# KiCad board analog_i.kicad_pcb (continued)
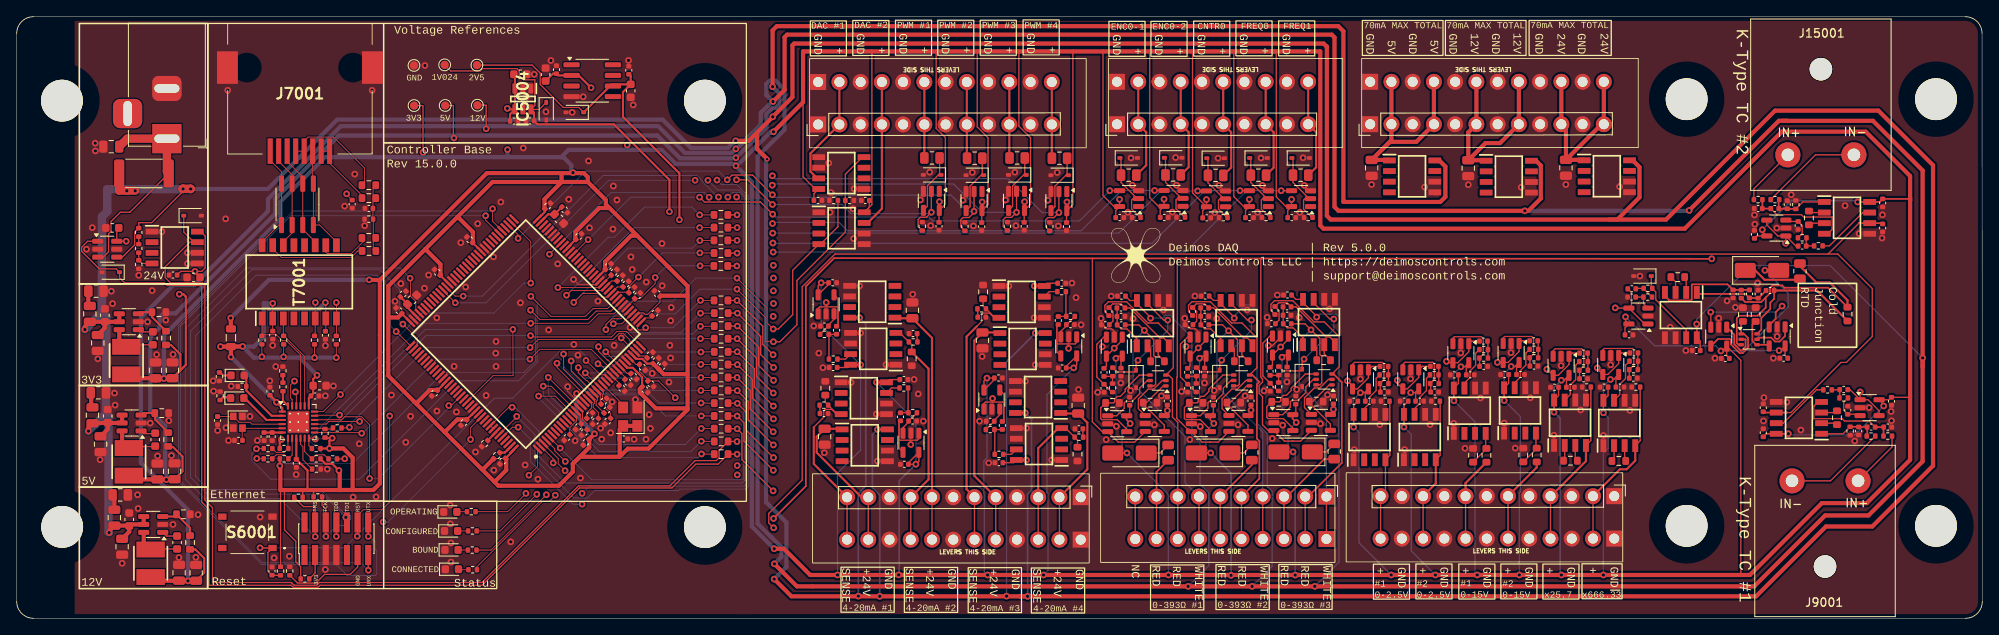
[diagram p0: board, top side]
## Placement (name value [footprint] x y rotation side) (continued)
R13006  RNCF0603TKW10K0 10k 0.01% 5ppm/C  [R_0603_1608Metric]  145.54 25.81 0 top
R13007  100R 0402  [R_0402_1005Metric]  34.47 4.71 0 top
R13009  RNCF0603TKW10K0 10k 0.01% 5ppm/C  [R_0603_1608Metric]  141.05 25.78 0 top
R14001  200R  [R_0402_1005Metric]  107.2 33.07 180 top
R14002  RNCF0603TKY75R0 75R 0.01% 5ppm/C  [R_0603_1608Metric]  107.03 31.04 90 top
R15001  10  [R_0402_1005Metric]  208.25 50.1 0 top
R15002  10  [R_0402_1005Metric]  210.26 50.1 180 top
R15003  1M  [R_0402_1005Metric]  212.75 49.49 90 top
R15004  100k 1%  [R_0402_1005Metric]  195.07 39.48 0 top
R15005  RNCF0603TKY2K00 2k 0.01% 5ppm/C  [R_0603_1608Metric]  214.33 47.9 270 top
R15006  100k 1%  [R_0402_1005Metric]  195.05 38.44 0 top
R17001  10k 1%  [R_0402_1005Metric]  216.55 27.34 0 top
R17002  RNCF0603TKY2K00 2k 0.01% 5ppm/C  [R_0603_1608Metric]  156.29 30.88 0 top
R17003  300  [R_0805_2012Metric]  157.56 19.96 270 top
R17004  10k 1%  [C_0402_1005Metric]  150.47 36.83 270 top
R17005  10k 1%  [C_0402_1005Metric]  151.94 35.24 0 top
R17006  RNCF0603TKW10K0 10k 0.01% 5ppm/C  [R_0603_1608Metric]  155.4 25.93 0 top
R17007  10k 1%  [R_0402_1005Metric]  218.48 26.37 0 top
R17009  RNCF0603TKW10K0 10k 0.01% 5ppm/C  [R_0603_1608Metric]  150.9 25.9 0 top
R18001  200R  [R_0402_1005Metric]  115.4 37.03 0 top
R18002  RNCF0603TKY75R0 75R 0.01% 5ppm/C  [R_0603_1608Metric]  115.57 39.06 270 top
R19001  10k 1%  [R_0402_1005Metric]  215.45 44.56 180 top
R19002  10k 1%  [R_0402_1005Metric]  213.52 45.53 180 top
R21001  3.3k 1%  [R_0402_1005Metric]  131.07 29.48 270 top
R21002  3.3k 1%  [R_0402_1005Metric]  131.04 27.57 270 top
R22001  200R  [R_0402_1005Metric]  127.03 21.67 180 top
R22002  RNCF0603TKY75R0 75R 0.01% 5ppm/C  [R_0603_1608Metric]  126.86 19.65 90 top
R24001  3.3k 1%  [R_0402_1005Metric]  141.07 29.49 270 top
R24002  3.3k 1%  [R_0402_1005Metric]  141.05 27.59 270 top
R27001  3.3k 1%  [R_0402_1005Metric]  150.93 29.61 270 top
R27002  3.3k 1%  [R_0402_1005Metric]  150.9 27.71 270 top
R29001  3.3k 1%  [R_0402_1005Metric]  117.47 19.62 180 top
R29002  3.3k 1%  [R_0402_1005Metric]  116.41 22.58 180 top
R31001  3.3k 1%  [R_0402_1005Metric]  124.96 39.09 0 top
R31002  3.3k 1%  [R_0402_1005Metric]  126.02 36.12 0 top
R33001  3.3k 1%  [R_0402_1005Metric]  97.64 31.01 180 top
R33002  3.3k 1%  [R_0402_1005Metric]  96.58 33.98 180 top
R35001  3.3k 1%  [R_0402_1005Metric]  106.09 27.56 0 top
R35002  3.3k 1%  [R_0402_1005Metric]  107.15 24.6 0 top
R36001  RNCF0603TKY75R0 75R 0.01% 5ppm/C  [R_0603_1608Metric]  191.59 18.83 0 top
R36002  1M  [R_0402_1005Metric]  193.63 27.66 180 top
R37001  100k 1%  [R_0402_1005Metric]  193.38 30.76 180 top
R37002  100k 1%  [R_0402_1005Metric]  193.35 29.75 0 top
R38001  RNCF0603TKY2K00 2k 0.01% 5ppm/C  [R_0603_1608Metric]  185.8 18.86 0 top
R38002  1M  [R_0402_1005Metric]  187.73 27.67 180 top
R39001  10k 1%  [R_0402_1005Metric]  187.37 30.72 0 top
R39002  10k 1%  [R_0402_1005Metric]  187.38 29.68 180 top
R40001  RNCF0603TKW10K0 10k 0.01% 5ppm/C  [R_0603_1608Metric]  181.77 19.54 270 top
R40002  RNCF0603TKY2K00 2k 0.01% 5ppm/C  [R_0603_1608Metric]  180.17 19.54 90 top
R41001  3.3k 1%  [R_0402_1005Metric]  181.44 32.19 0 top
R41002  3.3k 1%  [R_0402_1005Metric]  181.44 31.17 180 top
R42001  RNCF0603TKW10K0 10k 0.01% 5ppm/C  [R_0603_1608Metric]  175.76 19.5 270 top
R42002  RNCF0603TKY2K00 2k 0.01% 5ppm/C  [R_0603_1608Metric]  174.16 19.5 90 top
R43001  3.3k 1%  [R_0402_1005Metric]  175.43 32.15 0 top
R43002  3.3k 1%  [R_0402_1005Metric]  175.43 31.14 180 top
R44001  1M  [R_0402_1005Metric]  169.67 25.98 180 top
R45001  3.3k 1%  [R_0402_1005Metric]  169.52 29.13 0 top
R45002  3.3k 1%  [R_0402_1005Metric]  169.54 28.09 180 top
R46001  1M  [R_0402_1005Metric]  163.66 25.97 180 top
R47001  3.3k 1%  [R_0402_1005Metric]  163.5 29.12 0 top
R47002  3.3k 1%  [R_0402_1005Metric]  163.52 28.08 180 top
R48001  49.9  [R_0805_2012Metric]  132.97 53.03 180 top
R48002  1M  [R_0402_1005Metric]  133.89 47.97 180 top
R49001  49.9  [R_0805_2012Metric]  138.29 53.05 180 top
R49002  1M  [R_0402_1005Metric]  139.2 47.99 180 top
R50001  49.9  [R_0805_2012Metric]  143.37 53 180 top
R50002  1M  [R_0402_1005Metric]  144.28 47.94 180 top
R51001  49.9  [R_0805_2012Metric]  148.49 53.02 180 top
R51002  1M  [R_0402_1005Metric]  149.41 47.97 180 top
R52001  49.9  [R_0805_2012Metric]  153.54 53.02 180 top
R52002  1M  [R_0402_1005Metric]  154.45 47.97 180 top
R53001  1M  [R_0402_1005Metric]  99.6 50 0 top
R54001  1M  [R_0402_1005Metric]  97.7 50 180 top
R55001  1M  [R_0402_1005Metric]  108.29 46.91 90 top
R55002  49.9  [R_0805_2012Metric]  109.45 55.08 180 top
R56001  1M  [R_0402_1005Metric]  113.39 46.87 90 top
R56002  49.9  [R_0805_2012Metric]  114.56 55.05 180 top
R57001  1M  [R_0402_1005Metric]  118.47 46.9 90 top
R57002  49.9  [R_0805_2012Metric]  119.64 55.08 180 top
R58001  1M  [R_0402_1005Metric]  123.54 46.87 90 top
R58002  49.9  [R_0805_2012Metric]  124.7 55.05 180 top
S6001  TS-1187A-B-A-B  [TS1187ABAB]  27.58 10.29 180 top
T7001  H1102NLT  [SOIC127P940X622-16N]  33.79 40.26 90 top
TP7001  TestPoint_+12V  [TestPoint_Pad_D1.0mm]  55.09 61.39 270 top
TP7002  TestPoint_+5V  [TestPoint_Pad_D1.0mm]  51.24 61.36 180 top
TP7003  TestPoint_+2V5  [TestPoint_Pad_D1.0mm]  55.03 66.19 180 top
TP7004  TestPoint_+3V3  [TestPoint_Pad_D1.0mm]  47.51 61.35 270 top
TP7005  TestPoint_+1V024  [TestPoint_Pad_D1.0mm]  51.17 66.22 180 top
TP8002  TestPoint_GND_1  [TestPoint_Pad_D1.0mm]  47.5 66.15 180 top
U4001  NTJD4001NT1G  [SOT-363_SC-70-6]  207.17 33.38 0 top
U5001  NTJD4001NT1G  [SOT-363_SC-70-6]  136.48 28.45 180 top
U6002  ADR4525  [SOIC-8_3.9x4.9mm_P1.27mm]  68.82 64.33 0 top
U7001  LAN8742A  [VQFN-24-1EP_4x4mm_P0.5mm_EP2.5x2.5mm_ThermalVias]  33.69 23.48 0 top
U8001  INA181A2  [SOT-23-6]  10.83 44.17 0 top
U13001  NTJD4001NT1G  [SOT-363_SC-70-6]  146.48 28.46 180 top
U15001  OPA333xxDBV  [SOT-23-5]  193.93 36.17 180 top
U17001  NTJD4001NT1G  [SOT-363_SC-70-6]  156.34 28.58 180 top
U17002  OPA333xxDBV  [SOT-23-5]  221.58 25.2 0 top
U19001  OPA333xxDBV  [SOT-23-5]  210.42 46.7 180 top
U21001  OPA333xxDBV  [SOT-23-5]  131.26 32.5 270 top
U24001  OPA333xxDBV  [SOT-23-5]  141.26 32.51 270 top
U27001  OPA333xxDBV  [SOT-23-5]  151.12 32.63 270 top
U29001  OPA333xxDBV  [SOT-23-5]  116.62 26.17 90 top
U31001  OPA333xxDBV  [SOT-23-5]  125.81 32.53 270 top
U33001  OPA333xxDBV  [SOT-23-5]  96.79 37.57 90 top
U35001  OPA333xxDBV  [SOT-23-5]  106.94 21.01 270 top
U37001  OPA333xxDBV  [SOT-23-5]  190.62 30.31 270 top
U39001  OPA333xxDBV  [SOT-23-5]  184.68 30.21 270 top
U41001  OPA333xxDBV  [SOT-23-5]  178.71 31.75 270 top
U43001  OPA333xxDBV  [SOT-23-5]  172.7 31.72 270 top
U45001  OPA333xxDBV  [SOT-23-5]  166.71 28.59 270 top
U47001  OPA333xxDBV  [SOT-23-5]  160.69 28.59 270 top
U48001  74LVC1G17  [SOT-23-5]  133.02 50.22 180 top
U49001  74LVC1G17  [SOT-23-5]  138.34 50.24 180 top
U50001  74LVC1G17  [SOT-23-5]  143.42 50.19 180 top
U51001  74LVC1G17  [SOT-23-5]  148.54 50.22 180 top
U52001  74LVC1G17  [SOT-23-5]  153.58 50.22 180 top
U55001  74LVC1G17  [SOT-23-5]  109.38 49.95 270 top
U56001  74LVC1G17  [SOT-23-5]  114.48 49.92 270 top
U57001  74LVC1G17  [SOT-23-5]  119.56 49.95 270 top
U58001  74LVC1G17  [SOT-23-5]  124.63 49.92 270 top
Y6001  SiT1602BI-21-33S-48.000000  [Crystal_SMD_3225-4Pin_3.2x2.5mm]  73.37 24.12 90 top
Y7001  NX2016SA-25.000M-STD-CZS-1  [Crystal_SMD_2016-4Pin_2.0x1.6mm]  26.44 23.46 270 top

## Library data of the parts
C3001-C3003 C8003 C10002-C10004 C11004 C11005 C11008 C12002 C12003 C12008 C17008 C20001 C24001 C28001 = -: LCSC: C440198; ki_fp_filters: C_*
C4001-C4004 C4007 C4010 C5001-C5004 C5007-C5010 C5012 C6021 C6022 C6024 C6026-C6041 C6043 C6048-C6051 C7005-C7012 C8001 C8005 C8006 C9001-C9004 C9006 C11002 C13001-C13004 C13007 C13010 C14002 C15001-C15004 C15006 C15008 C17001-C17004 C17007 C17009 C17010 C18002 C19003 C21003 C22002 C24004 C27003 C29003 C31003 C33003 C35003 C36001 C37003 C38001 C39003 C40001 C41003 C42001 C43003 C44001 C45003 C46001 C47003 C48001 C49001 C50001 C51001 C52001 C53001 C54001 C55001 C56001 C57001 C58001 = -: ki_fp_filters: C_*
C6001-C6013 C6016-C6020 C7004 = -: LCSC: C52923; ki_fp_filters: C_*
C6023 C6025 C11001 C14001 C18001 C22001 = -: LCSC: C15195; ki_fp_filters: C_*
C7001 C7002 = -: LCSC: C258497; ki_fp_filters: C_*
C7003 = -: LCSC: C363540; ki_fp_filters: C_*
C10001 C10005 C11003 C11006 C12001 C12006 = -: Description: Unpolarized capacitor, small symbol; LCSC: C14663; ki_fp_filters: C_*
C10006 C11007 C12007 = -: LCSC: C377773; ki_fp_filters: C_*
C15005 C15007 C17005 C17006 C19001 C19002 C21001 C21002 C24002 C24003 C27001 C27002 C29001 C29002 C31001 C31002 C33001 C33002 C35001 C35002 C37001 C37002 C39001 C39002 C41001 C41002 C43001 C43002 C45001 C45002 C47001 C47002 = -: LCSC: C3855387; ki_fp_filters: C_*
D4001 D5001 D13001 D17001 = -: LCSC: C22452; ki_fp_filters: TO-???* *_Diode_* *SingleDiode* D_*
D4002 D5002 D6005 D8001 D8002 D9001 D23001 D26001 = -: LCSC: C2112; ki_fp_filters: TO-???* *_Diode_* *SingleDiode* D_*
D6001-D6004 D7001 D7002 = -: LCSC: C7371898; ki_fp_filters: LED* LED_SMD:* LED_THT:*
D7003 = -: Datasheet: https://www.bourns.com/pdfs/CDNBS08-SLVU28-4.pdf; ki_fp_filters: SOIC*3.9x4.9mm*P1.27mm*
D48001 D49001 D50001 D51001 D52001 D55001 D56001 D57001 D58001 = -: LCSC: C5184420; ki_fp_filters: TO-???* *_Diode_* *SingleDiode* D_*
FB7001 = -: LCSC: C1017; ki_fp_filters: Inductor_* L_* *Ferrite*
H2001-H2004 H3001-H3004 = -: ki_fp_filters: MountingHole*
IC3001-IC3003 IC17004 IC20001 IC24001 IC28001 = -: Datasheet: https://4donline.ihs.com/images/VipMasterIC/IC/ROHM/ROHM-S-A0002355662/ROHM-S-A0002355662-1.pdf?hkey=EF798316E3902B6ED9A73243A3159BB0; Description: Supervisory Circuits 3-42V SOP-J8 12A LDO Regulator; Height: 1.65; Manufacturer_Name: ROHM Semiconductor; Mouser Part Number: 755-BD42540FJ-CE2; Mouser Price/Stock: https://www.mouser.co.uk/ProductDetail/ROHM-Semiconductor/BD42540FJ-CE2?qs=zGux8KhMp6JowApuEUgCTw%3D%3D; LCSC: C308591
IC4001 IC5001 IC8001 IC9001 IC11001 IC13001 IC14001 IC15001 IC17001 IC18001 IC22001 IC36001 IC38001 IC40001 IC42001 IC44001 IC46001 IC53001 IC54001 = -: Datasheet: http://www.ti.com/lit/gpn/ina826; Description: Precision, 200-uA Supply Current, 36-V Supply Instrumentation Amplifier; Height: 1.75; Manufacturer_Name: Texas Instruments; Mouser Part Number: 595-INA826AIDR; Mouser Price/Stock: https://www.mouser.co.uk/ProductDetail/Texas-Instruments/INA826AIDR?qs=RqytGdBYyUFuQNJtlkA6aQ%3D%3D; Arrow Price/Stock: https://www.arrow.com/en/products/ina826aidr/texas-instruments?region=nac; LCSC: C38433
IC4002 IC4003 IC5002 IC5003 IC13002 IC13003 IC17002 IC17003 = -: Datasheet: http://www.ti.com/lit/gpn/tlv333; Description: 350 kHz, Low-Noise, RRIO, CMOS Operational Amplifier for Cost-Sensitive Systems; Height: 1.45; Manufacturer_Name: Texas Instruments; Mouser Part Number: 595-TLV333IDBVR; Mouser Price/Stock: https://www.mouser.co.uk/ProductDetail/Texas-Instruments/TLV333IDBVR?qs=n%252BTO0c4TDSbTbn2suQLlAQ%3D%3D; Arrow Price/Stock: https://www.arrow.com/en/products/tlv333idbvr/texas-instruments
IC5004 = -: Datasheet: https://www.ti.com/lit/ds/symlink/ref35.pdf; Description: Voltage References 650-nA quiescent current, 12-ppm/C drift, ultra-low-power precision voltage reference; Height: 1.45; Manufacturer_Name: Texas Instruments; Mouser Part Number: 595-REF35102QDBVR; Mouser Price/Stock: https://www.mouser.co.uk/ProductDetail/Texas-Instruments/REF35102QDBVR?qs=rQFj71Wb1eWXaO82zju2Vg%3D%3D; Arrow Price/Stock: https://www.arrow.com/en/products/ref35102qdbvr/texas-instruments?region=nac
IC6001 = -: Datasheet: https://www.mouser.cn/datasheet/2/389/stm32h723zg-1893346.pdf; Height: 1.6; Manufacturer_Name: STMicroelectronics; LCSC: C114408
IC10001 IC11002 IC12001 = -: Datasheet: http://www.ti.com/lit/gpn/tps560430; Description: SIMPLE SWITCHER 36-V, 600-mA Buck Regulator With High-Efficiency Sleep Mode; Height: 1.45; Manufacturer_Name: Texas Instruments; Mouser Part Number: 595-TPS560430XDBVR; Mouser Price/Stock: https://www.mouser.co.uk/ProductDetail/Texas-Instruments/TPS560430XDBVR?qs=%252BEew9%252B0nqrDFUDwUxL0Ntw%3D%3D; Arrow Price/Stock: https://www.arrow.com/en/products/tps560430xdbvr/texas-instruments?region=nac
J3001 J3003 J3004 J3006 = -: Description: Generic screw terminal, single row, 01x12, script generated (kicad-library-utils/schlib/autogen/connector/); LCSC: C475123; ki_fp_filters: TerminalBlock*:*
J3002 J3005 = -: Description: Generic screw terminal, single row, 01x10, script generated (kicad-library-utils/schlib/autogen/connector/); LCSC: C475122; ki_fp_filters: TerminalBlock*:*
J6001 = -: LCSC: C3975190; ki_fp_filters: Connector*:*_2x??_*
J7001 = -: Datasheet: https://www.te.com/commerce/DocumentDelivery/DDEController?Action=showdoc&DocId=Customer+Drawing%7F6339160%7FE%7Fpdf%7FEnglish%7FENG_CD_6339160_E_6339160-c_drw.pdf%7F6339160-1; Description: Cat5 modular RJ45 jack, 8/8,SMT,shielded; Height: 13.72; Manufacturer_Name: TE Connectivity; Mouser Part Number: 571-6339160-1; Mouser Price/Stock: https://www.mouser.co.uk/ProductDetail/TE-Connectivity/6339160-1?qs=Il0cmQ4mt8K1Qlv3V6xMcA%3D%3D; Arrow Price/Stock: https://www.arrow.com/en/products/6339160-1/te-connectivity?region=nac; LCSC: C125076
J8001 = -: LCSC: C3094841; ki_fp_filters: BarrelJack*
J9001 J15001 = -: LCSC: C9900157061; ki_fp_filters: Connector*:*_1x??_*
L10001 = -: Description: Inductor; LCSC: C167880; ki_fp_filters: Choke_* *Coil* Inductor_* L_*
L11001 = -: Description: Inductor; LCSC: C167882; ki_fp_filters: Choke_* *Coil* Inductor_* L_*
L12001 = -: Description: Inductor; LCSC: C167840; ki_fp_filters: Choke_* *Coil* Inductor_* L_*
R3001 = -: Description: Resistor, small US symbol; LCSC: C141518; ki_fp_filters: R_*
R4002 R5002 R9005 R13002 R15005 R17002 R38001 R40002 R42002 = -: LCSC: C346578; ki_fp_filters: R_*
R4003-R4005 R5003-R5005 R9003 R13003-R13005 R15003 R17003-R17005 R36002 R38002 R44001 R46001 R48002 R49002 R50002 R51002 R52002 R53001 R54001 R55001 R56001 R57001 R58001 = -: ki_fp_filters: R_*
R4006 R4009 R5006 R5009 R13006 R13009 R17006 R17009 R40001 R42001 = -: LCSC: C2482678; ki_fp_filters: R_*
R6001-R6013 R6016-R6020 = -: Description: Resistor, small symbol; LCSC: C22859; ki_fp_filters: R_*
R6021 R6022 R6028-R6030 R7002 R7004 R7006 R7009 R7010 R7012 R7019 R8006 R8007 = -: Description: Resistor, small symbol; LCSC: C25744; ki_fp_filters: R_*
R6023 R6025-R6027 = -: GNUM: G11-R0402-3300-AAA; LCSC: C25744
R6024 R7017 R13007 = -: Description: Resistor, small symbol; LCSC: C25076; ki_fp_filters: R_*
R7001 R7003 R7005 R7007 = -: Description: Resistor, small symbol; LCSC: C25105; ki_fp_filters: R_*
R7008 R7015 R8005 = -: Description: Resistor, small symbol; LCSC: C25867; ki_fp_filters: R_*
R7011 R7013 R7016 R7018 = -: GNUM: G11-R0402-3300-AAA; LCSC: C25120
R7014 = -: Description: Resistor, small symbol; LCSC: C25752; ki_fp_filters: R_*
R7020-R7023 = -: GNUM: G11-R0402-3300-AAA; LCSC: C23242
R7024 = -: GNUM: G11-R0402-3300-AAA; LCSC: C26083
R8004 = -: Description: Resistor, small symbol; LCSC: C76239; ki_fp_filters: R_*
R9001 R15001 = -: LCSC: C25077; ki_fp_filters: R_*
R9002 R15002 = -: Datasheet: C25077; ki_fp_filters: R_*
R10001 R11005 R12002 = -: Description: Resistor, small symbol; LCSC: C25961; ki_fp_filters: R_*
R10002 = -: Description: Resistor, small symbol; LCSC: C23196; ki_fp_filters: R_*
R10003 R11003 R12003 = -: Description: Resistor, small symbol; LCSC: C25271; ki_fp_filters: R_*
R11001 R14001 R18001 R22001 = -: LCSC: C25087; ki_fp_filters: R_*
R11002 R14002 R18002 R22002 R36001 = -: LCSC: C2482496; ki_fp_filters: R_*
R11004 = -: Description: Resistor, small symbol; LCSC: C203875; ki_fp_filters: R_*
R12001 = -: Description: Resistor, small symbol; LCSC: C23351; ki_fp_filters: R_*
R15004 R15006 R37001 R37002 = -: LCSC: C25741; ki_fp_filters: R_*
R17001 R17007 R19001 R19002 R39001 R39002 = -: LCSC: C25744; ki_fp_filters: R_*
R21001 R21002 R24001 R24002 R27001 R27002 R29001 R29002 R31001 R31002 R33001 R33002 R35001 R35002 R41001 R41002 R43001 R43002 R45001 R45002 R47001 R47002 = -: LCSC: C25890; ki_fp_filters: R_*
R48001 R49001 R50001 R51001 R52001 R55002 R56002 R57002 R58002 = -: LCSC: C17720; ki_fp_filters: R_*
S6001 = -: Datasheet: http://www.helloxkb.com/public/images/pdf/TS-1187A-X-X-X.pdf; Description: tact switch 4x4X1.5 patch 160GF metal head waterproof; Height: 4.05; Manufacturer_Name: XKB Connectivity; LCSC: C318884
T7001 = -: Datasheet: https://productfinder.pulseeng.com/products/datasheets/H1102NL.pdf; Description: Audio Transformers / Signal Transformers 100BaseTX SMD NonPoE 350uH .65Ohms 1-Port; Height: 6.22; Manufacturer_Name: Pulse; Mouser Part Number: 673-H1102NLT; Mouser Price/Stock: https://www.mouser.co.uk/ProductDetail/Pulse-Electronics/H1102NLT?qs=EKu32SdDin8JhhqpR7K10Q%3D%3D; Arrow Price/Stock: https://www.arrow.com/en/products/h1102nlt/pulse-electronics-corporation?region=nac; LCSC: C18584
TP7001-TP7005 TP8002 = -: ki_fp_filters: Pin* Test*
U4001 U5001 U13001 U17001 = -: LCSC: C190019
U6002 = -: Datasheet: https://www.analog.com/media/en/technical-documentation/data-sheets/ADR4520_4525_4530_4533_4540_4550.pdf; LCSC: C403914; ki_fp_filters: SOIC*3.9x4.9mm*P1.27mm*
U7001 = -: Datasheet: http://ww1.microchip.com/downloads/en/DeviceDoc/8742a.pdf; ki_fp_filters: VQFN*1EP*4x4mm*P0.5mm*
U8001 = -: Datasheet: http://www.ti.com/lit/ds/symlink/ina181.pdf; LCSC: C2058784; ki_fp_filters: SOT?23*
U15001 U17002 U19001 U21001 U24001 U27001 U29001 U31001 U33001 U35001 U37001 U39001 U41001 U43001 U45001 U47001 = -: Datasheet: http://www.ti.com/lit/ds/symlink/opa333.pdf; Description: Single 1.8V, microPower, CMOS Operational Amplifiers, Zero-Drift Series, SOT-23-5; ki_fp_filters: SOT?23*
U48001 U49001 U50001 U51001 U52001 U55001 U56001 U57001 U58001 = -: Datasheet: https://www.ti.com/lit/ds/symlink/sn74lvc1g17.pdf; Description: Single Schmitt Buffer Gate, Low-Voltage CMOS; LCSC: C7836; ki_fp_filters: SOT?23* SOT?553* Texas?R-PDSO-G5?DCK* Texas?R-PDSO-N5?DRL* Texas?X2SON*0.8x0.8mm*P0.48mm*
Y6001 = -: Datasheet: https://www.sitime.com/support/resource-library/datasheets/sit1602-datasheet; Manufacturer_Name: SiTime; Manufacturer_Part_Number: SiT1602AI-82-33E-48.000000; LCSC: C1198900
Y7001 = -: Datasheet: https://datasheet.datasheetarchive.com/originals/distributors/DKDS-17/332064.pdf; Manufacturer_Name: NDK; Mouser Part Number: 344-NX2016SA25MSTZS1; Mouser Price/Stock: https://www.mouser.co.uk/ProductDetail/NDK/NX2016SA-25.000M-STD-CZS-1?qs=w%2Fv1CP2dgqozB742%252BoULZA%3D%3D; LCSC: C843258

## Footprints (pads in the part's own frame, mm; a bottom-side part is the same pattern mirrored in y, then rotated)
63391601
  round 0.001 hole 3.33 unplated: (-6.35,-2.53) (6.35,-2.53)
  rect 0.61x3.05 smd: 1(3.556,7.47) 2(2.54,7.47) 3(1.524,7.47) 4(0.508,7.47) 5(-0.508,7.47) 6(-1.524,7.47) 7(-2.54,7.47) 8(-3.556,7.47)
  rect 2.5x3.9 smd: 9(-8.67,-2.53) 10(8.67,-2.53)
AM-K-PCB
  round 2.7 hole 2.7 unplated: (0,-4)
  round 3 hole 1.5: 1(3.95,-14.25) 2(-3.95,-14.25)
BarrelJack_Horizontal
  rect 3.5x3.5 hole 1x3: 1(0,0)
  rrect 3x3.5 hole 1x3: 2(-6,0)
  rrect 3.5x3.5 hole 3x1: 3(-3,-4.7)
C_0402_1005Metric
  rrect 0.56x0.62 smd: 1(-0.48,0) 2(0.48,0)
C_0603_1608Metric
  rrect 0.9x0.95 smd: 1(-0.775,0) 2(0.775,0)
C_0805_2012Metric
  rrect 1x1.45 smd: 1(-0.95,0) 2(0.95,0)
Crystal_SMD_2016-4Pin_2.0x1.6mm
  rect 0.9x0.8 smd: 1(-0.7,-0.55) 2(0.7,-0.55) 3(0.7,0.55) 4(-0.7,0.55)
Crystal_SMD_3225-4Pin_3.2x2.5mm
  rect 1.4x1.2 smd: 1(-1.1,-0.85) 2(1.1,-0.85) 3(1.1,0.85) 4(-1.1,0.85)
D_SMA
  rrect 2.5x1.8 smd: 1(-2,0) 2(2,0)
D_SOD-323
  rrect 0.6x0.45 smd: 1(-1.05,0) 2(1.05,0)
INDPM4040X300N
  rect 1.9x3.4 smd: 1(-1.65,0) 2(1.65,0)
KF141V-2.54-10P
  rect 1.9x1.9 hole 1.2: 1(0,0) 1(5.08,0)
  oval 1.9x1.9 hole 1.2: 2(0,-2.54) 2(5.08,-2.54) 3(0,-5.08) 3(5.08,-5.08) 4(0,-7.62) 4(5.08,-7.62) 5(0,-10.16) 5(5.08,-10.16) 6(0,-12.7) 6(5.08,-12.7) 7(0,-15.24) 7(5.08,-15.24) 8(0,-17.78) 8(5.08,-17.78) 9(0,-20.32) 9(5.08,-20.32) 10(0,-22.86) 10(5.08,-22.86)
KF141V-2.54-12P
  rect 1.9x1.9 hole 1.2: 1(0,0) 1(5.08,0)
  oval 1.9x1.9 hole 1.2: 2(0,-2.54) 2(5.08,-2.54) 3(0,-5.08) 3(5.08,-5.08) 4(0,-7.62) 4(5.08,-7.62) 5(0,-10.16) 5(5.08,-10.16) 6(0,-12.7) 6(5.08,-12.7) 7(0,-15.24) 7(5.08,-15.24) 8(0,-17.78) 8(5.08,-17.78) 9(0,-20.32) 9(5.08,-20.32) 10(0,-22.86) 10(5.08,-22.86) 11(0,-25.4) 11(5.08,-25.4) 12(0,-27.94) 12(5.08,-27.94)
L_0805_2012Metric
  rrect 0.875x1.2 smd: 1(-1.062,0) 2(1.062,0)
LED_0603_1608Metric
  rrect 0.875x0.95 smd: 1(-0.787,0) 2(0.787,0)
MountingHole_5mm
  round 5 hole 5 unplated: (0,0)
PinHeader_2x07_P1.27mm_Vertical_SMD
  rect 2.4x0.74 smd: 1(-1.95,3.81) 2(1.95,3.81) 3(-1.95,2.54) 4(1.95,2.54) 5(-1.95,1.27) 6(1.95,1.27) 7(-1.95,0) 8(1.95,0) 9(-1.95,-1.27) 10(1.95,-1.27) 11(-1.95,-2.54) 12(1.95,-2.54) 13(-1.95,-3.81) 14(1.95,-3.81)
QFP50P2200X2200X160-144N
  rect 1.475x0.3 smd: 1(-10.738,8.75) 2(-10.738,8.25) 3(-10.738,7.75) 4(-10.738,7.25) 5(-10.738,6.75) 6(-10.738,6.25) 7(-10.738,5.75) 8(-10.738,5.25) 9(-10.738,4.75) 10(-10.738,4.25) 11(-10.738,3.75) 12(-10.738,3.25) 13(-10.738,2.75) 14(-10.738,2.25) 15(-10.738,1.75) 16(-10.738,1.25) 17(-10.738,0.75) 18(-10.738,0.25) 19(-10.738,-0.25) 20(-10.738,-0.75) 21(-10.738,-1.25) 22(-10.738,-1.75) 23(-10.738,-2.25) 24(-10.738,-2.75) 25(-10.738,-3.25) 26(-10.738,-3.75) 27(-10.738,-4.25) 28(-10.738,-4.75) 29(-10.738,-5.25) 30(-10.738,-5.75) 31(-10.738,-6.25) 32(-10.738,-6.75) 33(-10.738,-7.25) 34(-10.738,-7.75) 35(-10.738,-8.25) 36(-10.738,-8.75) 73(10.738,-8.75) 74(10.738,-8.25) 75(10.738,-7.75) 76(10.738,-7.25) 77(10.738,-6.75) 78(10.738,-6.25) 79(10.738,-5.75) 80(10.738,-5.25) 81(10.738,-4.75) 82(10.738,-4.25) 83(10.738,-3.75) 84(10.738,-3.25) 85(10.738,-2.75) 86(10.738,-2.25) 87(10.738,-1.75) 88(10.738,-1.25) 89(10.738,-0.75) 90(10.738,-0.25) 91(10.738,0.25) 92(10.738,0.75) 93(10.738,1.25) 94(10.738,1.75) 95(10.738,2.25) 96(10.738,2.75) 97(10.738,3.25) 98(10.738,3.75) 99(10.738,4.25) 100(10.738,4.75) 101(10.738,5.25) 102(10.738,5.75) 103(10.738,6.25) 104(10.738,6.75) 105(10.738,7.25) 106(10.738,7.75) 107(10.738,8.25) 108(10.738,8.75)
  rect 0.3x1.475 smd: 37(-8.75,-10.738) 38(-8.25,-10.738) 39(-7.75,-10.738) 40(-7.25,-10.738) 41(-6.75,-10.738) 42(-6.25,-10.738) 43(-5.75,-10.738) 44(-5.25,-10.738) 45(-4.75,-10.738) 46(-4.25,-10.738) 47(-3.75,-10.738) 48(-3.25,-10.738) 49(-2.75,-10.738) 50(-2.25,-10.738) 51(-1.75,-10.738) 52(-1.25,-10.738) 53(-0.75,-10.738) 54(-0.25,-10.738) 55(0.25,-10.738) 56(0.75,-10.738) 57(1.25,-10.738) 58(1.75,-10.738) 59(2.25,-10.738) 60(2.75,-10.738) 61(3.25,-10.738) 62(3.75,-10.738) 63(4.25,-10.738) 64(4.75,-10.738) 65(5.25,-10.738) 66(5.75,-10.738) 67(6.25,-10.738) 68(6.75,-10.738) 69(7.25,-10.738) 70(7.75,-10.738) 71(8.25,-10.738) 72(8.75,-10.738) 109(8.75,10.738) 110(8.25,10.738) 111(7.75,10.738) 112(7.25,10.738) 113(6.75,10.738) 114(6.25,10.738) 115(5.75,10.738) 116(5.25,10.738) 117(4.75,10.738) 118(4.25,10.738) 119(3.75,10.738) 120(3.25,10.738) 121(2.75,10.738) 122(2.25,10.738) 123(1.75,10.738) 124(1.25,10.738) 125(0.75,10.738) 126(0.25,10.738) 127(-0.25,10.738) 128(-0.75,10.738) 129(-1.25,10.738) 130(-1.75,10.738) 131(-2.25,10.738) 132(-2.75,10.738) 133(-3.25,10.738) 134(-3.75,10.738) 135(-4.25,10.738) 136(-4.75,10.738) 137(-5.25,10.738) 138(-5.75,10.738) 139(-6.25,10.738) 140(-6.75,10.738) 141(-7.25,10.738) 142(-7.75,10.738) 143(-8.25,10.738) 144(-8.75,10.738)
R_0402_1005Metric
  rrect 0.54x0.64 smd: 1(-0.51,0) 2(0.51,0)
R_0603_1608Metric
  rrect 0.8x0.95 smd: 1(-0.825,0) 2(0.825,0)
R_0805_2012Metric
  rrect 1.025x1.4 smd: 1(-0.912,0) 2(0.912,0)
R_2512_6332Metric
  rrect 1.225x3.35 smd: 1(-2.962,0) 2(2.962,0)
SOIC127P600X175-8N
  rect 1.525x0.7 smd: 1(-2.712,1.905) 2(-2.712,0.635) 3(-2.712,-0.635) 4(-2.712,-1.905) 5(2.712,-1.905) 6(2.712,-0.635) 7(2.712,0.635) 8(2.712,1.905)
SOIC127P940X622-16N
  rect 1.645x0.8 smd: 1(-4.378,4.445) 2(-4.378,3.175) 3(-4.378,1.905) 4(-4.378,0.635) 5(-4.378,-0.635) 6(-4.378,-1.905) 7(-4.378,-3.175) 8(-4.378,-4.445) 9(4.378,-4.445) 10(4.378,-3.175) 11(4.378,-1.905) 12(4.378,-0.635) 13(4.378,0.635) 14(4.378,1.905) 15(4.378,3.175) 16(4.378,4.445)
SOIC-8_3.9x4.9mm_P1.27mm
  rrect 1.95x0.6 smd: 1(-2.475,1.905) 2(-2.475,0.635) 3(-2.475,-0.635) 4(-2.475,-1.905) 5(2.475,-1.905) 6(2.475,-0.635) 7(2.475,0.635) 8(2.475,1.905)
SOT95P280X145-6N
  rect 1.2x0.6 smd: 1(-1.25,0.95) 2(-1.25,0) 3(-1.25,-0.95) 4(1.25,-0.95) 5(1.25,0) 6(1.25,0.95)
SOT-23-5
  rrect 1.325x0.6 smd: 1(-1.137,0.95) 2(-1.137,0) 3(-1.137,-0.95) 4(1.137,-0.95) 5(1.137,0.95)
SOT-23-6
  rrect 1.325x0.6 smd: 1(-1.137,0.95) 2(-1.137,0) 3(-1.137,-0.95) 4(1.137,-0.95) 5(1.137,0) 6(1.137,0.95)
SOT-363_SC-70-6
  rrect 0.65x0.4 smd: 1(-0.95,0.65) 2(-0.95,0) 3(-0.95,-0.65) 4(0.95,-0.65) 5(0.95,0) 6(0.95,0.65)
TestPoint_Pad_D1.0mm
  round 1 smd: 1(0,0)
TS1187ABAB
  rect 1x0.75 smd: A1(-3,1.875) B1(3,1.875) C1(-3,-1.875) D1(3,-1.875)
VQFN-24-1EP_4x4mm_P0.5mm_EP2.5x2.5mm_ThermalVias
  custom 0.927x0.927 smd: (-0.5,0.5) (-0.5,-0.5) (0.5,0.5) (0.5,-0.5)
  rrect 0.875x0.25 smd: 1(-1.938,1.25) 2(-1.938,0.75) 3(-1.938,0.25) 4(-1.938,-0.25) 5(-1.938,-0.75) 6(-1.938,-1.25) 13(1.938,-1.25) 14(1.938,-0.75) 15(1.938,-0.25) 16(1.938,0.25) 17(1.938,0.75) 18(1.938,1.25)
  rrect 0.25x0.875 smd: 7(-1.25,-1.938) 8(-0.75,-1.938) 9(-0.25,-1.938) 10(0.25,-1.938) 11(0.75,-1.938) 12(1.25,-1.938) 19(1.25,1.938) 20(0.75,1.938) 21(0.25,1.938) 22(-0.25,1.938) 23(-0.75,1.938) 24(-1.25,1.938)
  round 0.5 hole 0.2: 25(-1,1) 25(-1,0) 25(-1,-1) 25(0,1) 25(0,0) 25(0,-1) 25(1,1) 25(1,0) 25(1,-1)
  rect 2.5x2.5 smd: 25(0,0)
  rect 2.5x2.5 smd far side: 25(0,0)

## Nets
+1V024: C5008.1 C9006.2 C15006.2 D5002.1 IC5004.6 IC9001.6 IC15001.6 TP7005.1
+2V5: C6023.2 C6024.2 C6050.2 C6051.2 D6005.1 IC4002.3 IC4003.3 IC5002.3 IC5003.3 IC6001.32 IC13002.3 IC13003.3 IC17002.3 IC17003.3 TP7003.1 U6002.6
+3V3: C4007.1 C4010.1 C5007.1 C5009.2 C5010.1 C5012.2 C6021.2 C6022.2 C6025.2 C6026.2 C6028.2 C6029.2 C6030.2 C6031.2 C6032.2 C6033.2 C6036.2 C6037.2 C6038.2 C6039.2 C6043.2 C6048.2 C6049.2 C7005.2 C8001.1 C8005.2 C8006.2 C9004.1 C10003.1 C10006.1 C11002.2 C13007.1 C13010.1 C14002.2 C15004.1 C15008.2 C17007.1 C17009.2 C17010.1 C18002.2 C19003.2 C21003.2 C22002.2 C24004.2 C27003.2 C29003.2 C31003.2 C33003.2 C35003.2 C36001.2 C37003.2 C38001.2 C39003.2 C40001.2 C41003.2 C42001.2 C43003.2 C44001.2 C45003.2 C46001.2 C47003.2 C48001.2 C49001.2 C50001.2 C51001.2 C52001.2 C53001.2 C54001.2 C55001.2 C56001.2 C57001.2 C58001.2 D4001.2 D5001.2 D13001.2 D17001.2 FB7001.1 IC4002.5 IC4003.5 IC5002.5 IC5003.5 IC5004.3 IC5004.4 IC6001.17 IC6001.30 IC6001.33 IC6001.39 IC6001.52 IC6001.62 IC6001.72 IC6001.84 IC6001.95 IC6001.108 IC6001.121 IC6001.131 IC6001.144 IC8001.8 IC9001.8 IC11001.8 IC13002.5 IC13003.5 IC14001.8 IC15001.8 IC17002.5 IC17003.5 IC18001.8 IC22001.8 IC36001.8 IC38001.8 IC40001.8 IC42001.8 IC44001.8 IC46001.8 IC53001.8 IC54001.8 L10001.1 R6021.1 R6028.1 R6029.2 R6030.2 R7002.1 R7004.1 R7006.1 R7008.2 R7009.1 R10002.1 R13007.1 TP7004.1 U6002.2 U7001.9 U8001.6 U15001.5 U17002.5 U19001.5 U21001.5 U24001.5 U27001.5 U29001.5 U31001.5 U33001.5 U35001.5 U37001.5 U39001.5 U41001.5 U43001.5 U45001.5 U47001.5 U48001.5 U49001.5 U50001.5 U51001.5 U52001.5 U55001.5 U56001.5 U57001.5 U58001.5 Y6001.1 Y6001.4
+5V: C11007.1 C11008.1 IC3001.8 L11001.1 R11004.1 TP7002.1
+12V: C4004.1 C5004.1 C12007.1 C12008.1 C13004.1 C17004.1 IC3003.8 IC4001.8 IC5001.8 IC13001.8 IC17001.8 L12001.1 R12001.1 TP7001.1
+24V: C10002.1 C10004.1 C10005.1 C11003.1 C11004.1 C11005.1 C12001.1 C12002.1 C12003.1 IC3002.8 IC10001.4 IC10001.5 IC11002.4 IC11002.5 IC12001.4 IC12001.5 IC17004.8 IC20001.8 IC24001.8 IC28001.8 R8004.1 R8006.1 U8001.4
